# Altium PCB PCB.PcbDoc (part 3 of 4) (continued)
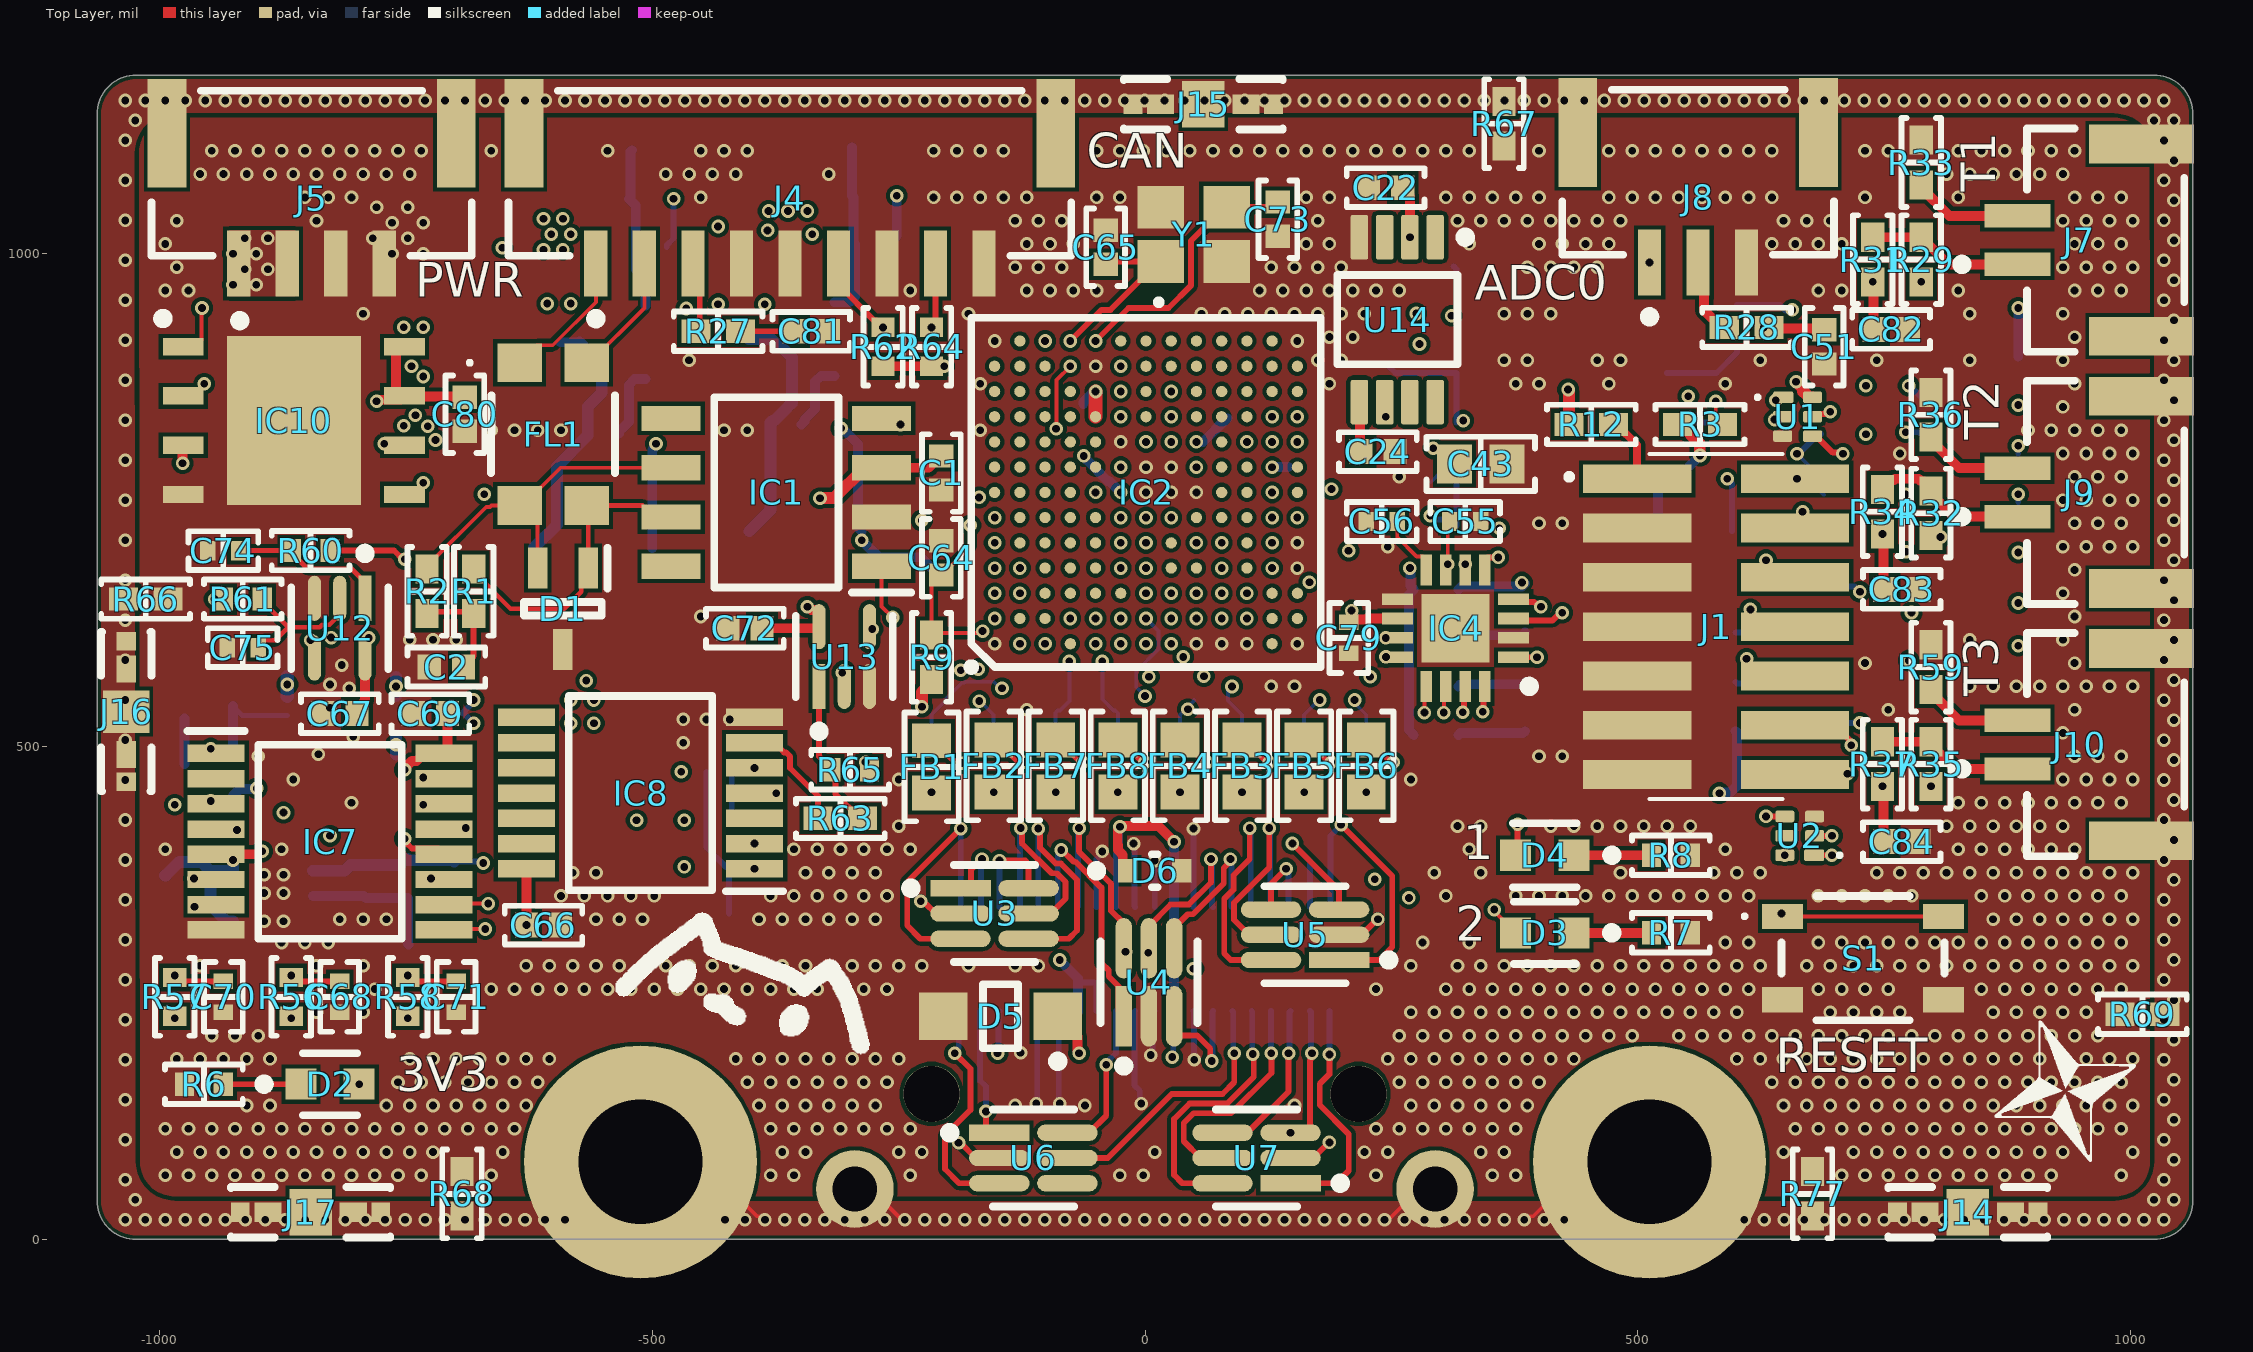
[diagram p0: Top Layer view]
## Nets (pads, with @x,y where several pads share a name; then routed paths per layer and width w, separated by ;. In a path a pad name is that pad's centre, name@x,y a point inside that pad or via, vN(x,y) a via of type N, cw(c..) or ccw(c..) an arc to the next point about the centre after c; other vN are vias at no path point) (continued)
NetFB1_1: FB1.1 R10.2
  other v1: -216.54,453.74
NetFB2_1: FB2.1 R11.2
  other v1: -153.54,453.74
NetFB3_1: FB3.1 R50.2
  other v1: 98.43,453.74
NetFB4_1: FB4.1 R51.2
  other v1: 35.43,453.74
NetFB5_1: FB5.1 R52.2
  other v1: 161.42,453.74
NetFB6_1: FB6.1 R53.2
  other v1: 224.41,453.74
NetFB7_1: FB7.1 R54.2
  other v1: -90.55,453.74
NetFB8_1: FB8.1 R55.2
  other v1: -27.56,453.74
NetIC3_8: IC3.8 R17.1 R18.2 | length 105.8
  Bottom Layer w5: R18.2@-925.2,541.34 -925.2,540.81 -915.89,531.5 IC3.8@-870.08,531.5
  Bottom Layer w10: R17.1@-925.2,495.08 R18.2@-925.2,541.34
NetIC5_6: IC5.6 R43.1 | length 82.3
  Bottom Layer w6: IC5.6@529.57,878.94 579.72,878.94 600.39,899.61 R43.1@600.39,902.56
NetIC5_7: IC5.7 R38.1 | length 65.9
  Bottom Layer w6: IC5.7@529.57,828.94 582.81,828.94 591.62,820.13 R38.1@591.62,819.88
NetIC6_1: IC6.1 R45.1 | length 69
  Bottom Layer w10: R45.1@317.91,511.81 319.78,513.68 383.48,513.68 IC6.1@385.35,515.55
NetIC6_2: IC6.2 R46.1 | length 69.3
  Bottom Layer w10: R46.1@317.91,561.02 320.18,563.29 383.09,563.29 IC6.2@385.35,565.55
NetIC6_3: IC6.3 R47.1 | length 69.6
  Bottom Layer w10: R47.1@317.91,610.24 320.57,612.89 382.7,612.89 IC6.3@385.35,615.55
NetIC6_6: IC6.6 R49.1 | length 71
  Bottom Layer w6: IC6.6@598.9,615.55 667.72,615.55 R49.1@669.29,617.13
NetIC6_7: IC6.7 R44.1 | length 71
  Bottom Layer w6: IC6.7@598.9,565.55 600.47,563.98 R44.1@669.29,563.98
NetIC11_4: IC11.4 R76.2 | length 50.4
  Bottom Layer w6: R76.2@-422.24,425.2 -419.29,428.15 IC11.4@-419.29,474.41
NetIC11_5: IC11.5 R22.1 R26.2 | length 154.8
  Bottom Layer w6: IC11.5@-444.88,474.41 -444.88,397.64 -425.2,377.95 R22.1@-422.24,377.95 R26.2@-422.24,330.71
NetJ1_10: J1.10 U2.4 | length 247.8
  Top Layer w6: v1(610.24,589.17) 610.24,582.22 620.8,571.65 J1.10@659.45,571.65 ; v1(629.92,429.13) U2.4@649.02,429.13
  Inner Layer 1 w6: v1(610.24,589.17) 610.24,448.82 v1(629.92,429.13)
NetJ4_3: J4.3 R27.2 | length 73.5
  Top Layer w5.91: J4.3@-458.66,990.16 -451.65,983.15 -451.65,925.32 R27.2@-455.71,921.26
NetJ6_5: J6.5 R25.2 | length 162.7
  Inner Layer 4 w6: v1(731.3,866.14) 750.98,846.46 v1(885.83,846.46)
NetJ6_6: J6.6 R24.2 R78.1 | length 185.1
  Inner Layer 4 w6: v1(731.3,816.93) 767.58,816.93 769.55,818.9 v1(771.65,818.9) ; v1@771.65,816.93 772.13,817.41 778.58,817.41 779.06,816.93 874.02,816.93 v1(885.83,805.12)
  Bottom Layer w6: v1(771.65,818.9) 785.43,818.9 R78.1@787.4,816.93 ; J6.6@885.83,797.24 v1(885.83,805.12)
NetJ7_1: J7.1 R29.1 R31.2 | length 156.8
  Top Layer w10: R31.2@738.19,1016.73 R29.1@787.4,1016.73 ; R29.1@787.4,1013.78 794.21,1006.97 797.17,1006.97 814.96,989.17 J7.1@884.84,989.17
NetJ7_2: J7.2 R33.2 | length 112.2
  Top Layer w10: R33.2@787.4,1069.88 787.4,1066.93 815.94,1038.39 J7.2@884.84,1038.39
NetJ8_2: J8.2 R28.2 | length 78.7
  Top Layer w10: J8.2@561.02,991.14 567.17,985 567.17,942.68 584.65,925.2 R28.2@587.6,925.2
NetJ9_1: J9.1 R32.1 R34.2 | length 159.4
  Top Layer w10: R34.2@748.03,760.83 748.03,763.78 754.84,770.59 759.64,770.59 760.7,771.65 784.57,771.65 787.05,769.18 790.43,769.18 797.24,762.37 R32.1@797.24,759.42 ; R32.1@797.24,756.47 820.44,733.27 J9.1@884.84,733.27
NetJ9_2: J9.2 R36.2 | length 102.4
  Top Layer w10: R36.2@797.24,813.98 797.24,811.02 825.79,782.48 J9.2@884.84,782.48
NetJ10_1: J10.1 R35.1 R37.2 | length 147
  Top Layer w10: R37.2@748.03,504.92 R35.1@797.24,504.92 ; R35.1@797.24,501.97 821.85,477.36 J10.1@884.84,477.36
NetJ10_2: J10.2 R59.2 | length 102.4
  Top Layer w10: R59.2@797.24,558.07 797.24,555.12 825.79,526.57 J10.2@884.84,526.57
NetR20_1: R20.1 R21.2 U11.2 | length 144.7
  Bottom Layer w10: U11.2@-844.25,348.43 -792.51,348.43 -790.54,346.46 R20.1@-748.03,346.46 -747.54,345.96 -747.54,299.7 R21.2@-747.05,299.21
NetR63_2: R63.2 R65.1 U13.1 | length 153.9
  Top Layer w6: U13.1@-330.71,561.02 -330.71,490.16 -318.9,478.35 R65.1@-318.9,476.38 -314.06,471.54 -314.06,451.85 -289.37,427.17 R63.2@-286.42,427.17
OE: IC2.A5 U13.2 | length 223.8
  Top Layer w3.94: v1(-307.09,574.8) -307.09,562.99 U13.2@-305.12,561.02
  Inner Layer 1 w3.94: v1(-307.09,574.8) -288.09,574.8 -161.12,701.77 -160.14,701.77 -155.22,706.69 v1(-152.56,706.69)
P\G\: IC2.G2 J2.18 U6.6 | length 783.4
  Top Layer w5.91: U6.6@-78.74,108.27 -56.73,108.27 -39.37,125.63 v1(-39.37,177.17)
  Inner Layer 1 w3.94: v1(-39.37,177.17) -37.94,178.6 -37.94,189.96 16.06,243.96 16.06,286.39 138.78,409.11 138.78,422.62 120.95,440.45 93.62,440.45 75.79,458.28 75.79,489.55 45.91,519.42 31.76,519.42 v1(0,551.18)
  Bottom Layer w3.94: v1(0,551.18) 0,551.56 -8.86,560.42 -8.86,576.39 13.78,599.03 13.78,617.13 v1(0.98,629.92)
  Bottom Layer w5.91: v1(-39.37,177.17) -39.37,179.3 -29.53,189.14 J2.18@-29.53,231.69
R\S\T\_4: C64.2 IC2.D12 R9.1 S1.1 S1.2 | length 1524.9
  Top Layer w3.94: v1(-177.17,724.41) -177.17,702.76 -205.91,674.02 C64.2@-206.69,674.02 -216.54,664.17 -216.54,616.14 -215.64,615.24 -166.7,615.24 v1(-164.81,617.13) ; v1(-90.2,822.46) -89.76,822.9 -89.76,871.85 v1(-75.79,885.83) ; v1(645.67,330.71) 648.62,327.76 S1.2@810.04,327.76
  Inner Layer 1 w3.94: v1(-177.17,724.41) -177.17,725.77 -90.45,812.48 -90.45,822.21 v1(-90.2,822.46)
  Inner Layer 4 w3.94: v1(-164.81,617.13) -147.26,617.13 -139.76,609.63 -139.76,576.28 -84.09,520.6 -84.09,487.25 -28.39,431.56 -19.29,431.56 45.9,366.37 134.82,366.37 137.82,363.36 148.42,363.36 151.42,366.37 212.75,366.37 257.27,321.85 636.43,321.85 645.29,330.71 v1(645.67,330.71)
SDIO_CLK: IC2.B11
SDIO_CS: IC2.A10
SDIO_DET: IC2.B6
SDIO_MISO: IC2.A12
SDIO_MOSI: IC2.B12
TEMP1_1: C82.2 IC4.5 R31.1 | length 606.7
  Top Layer w6: IC4.5@344.49,679.13 344.49,688.98 347.39,691.88 358.22,691.88 v1(358.27,691.93)
  Top Layer w10: v1(738.19,971.46) 738.86,970.78 738.86,923.9 C82.2@739.54,923.23
  Inner Layer 2 w6: v1(358.27,691.93) 423.07,691.93 425.82,689.17 488.52,689.17 607.58,808.23 634.77,808.23 738.19,911.65 v1(738.19,971.46)
TEMP2_1: C83.2 IC4.4 R34.1 | length 467.6
  Top Layer w6: IC4.4@374.02,649.61 376.92,646.7 394.7,646.7 399.47,641.93 v1(401.57,641.93)
  Top Layer w10: v1(748.03,715.55) 749.21,714.37 749.21,660.63 C83.2@750.39,659.45
  Inner Layer 2 w6: v1(401.57,641.93) 429.87,670.23 547.19,670.23 555.7,678.74 620.77,678.74 624.21,675.3 635.66,675.3 639.1,678.74 711.22,678.74 v1(748.03,715.55)
TEMP3_1: C84.2 IC4.3 R37.1 | length 508.8
  Top Layer w6: IC4.3@374.02,629.92 375.83,628.1 413.53,628.1 421.17,635.75 v1(423.28,635.75)
  Top Layer w10: v1(748.03,459.65) 749.21,458.46 749.21,404.72 C84.2@750.39,403.54
  Inner Layer 2 w6: v1(423.28,635.75) 599.38,459.65 705.84,459.65 706.87,458.61 718.33,458.61 719.36,459.65 v1(748.03,459.65)
U_A_IN: IC2.B1 J2.11 U4.1 | length 527.4
  Top Layer w5.91: v1(-84.9,395.13) -84.48,395.13 -72.44,383.09 -70.5,383.09 -44.29,356.88 -44.29,280.51 -36.86,273.08 -36.86,266.74 -27.02,256.9 -27.02,231.74 U4.1@-21.65,226.38
  Inner Layer 1 w3.94: v1(-169.29,578.54) -168,579.83 -151.47,579.83 v1(-126.97,604.33)
  Inner Layer 4 w3.94: v1(-169.29,578.54) -167.61,576.87 -167.61,563.78 -157.87,554.04 -157.87,553.86 -134.84,530.83 -134.84,478.95 -86.61,430.72 -86.61,396.84 v1(-84.9,395.13)
  Bottom Layer w5.91: J2.11@-88.58,337.01 -88.58,389.32 -84.9,393 v1(-84.9,395.13)
U_B_IN: IC2.C1 J2.09 U3.4 | length 555
  Top Layer w5.91: U3.4@-118.11,305.12 -77.26,305.12 -68.9,313.48 -68.9,364.88 -85.37,381.35 -90.61,381.35 -106.59,397.33 -106.59,415.16 v1(-108.27,416.84)
  Inner Layer 1 w3.94: v1(-187.01,577.51) -175.24,565.75 -158.61,565.75 -152.4,571.96 -133.75,571.96 v1(-101.38,604.33)
  Inner Layer 4 w3.94: v1(-187.01,577.51) -187.01,542.05 -142.72,497.76 -142.72,475.69 -108.27,441.24 v1(-108.27,416.84)
  Bottom Layer w5.91: J2.09@-108.27,337.01 v1(-108.27,416.84)
U_EN: J2.07 J2.34 J2.35 U3.5 U5.4 U7.5 U13.4 | length 1334.7
  Top Layer w5.91: U13.4@-279.53,621.66 -277.03,619.16 v1(-276.64,619.16) ; v1(-125.98,417.32) -124.76,416.09 -124.76,401.57 -94.69,371.51 -89.44,371.51 -80.54,362.6 -80.54,345.91 -95.74,330.71 U3.5@-118.11,330.71 ; U7.5@78.61,82.68 56.24,82.68 39.37,99.55 39.37,118.11 49.21,127.95 87.22,127.95 128.2,168.93 128.2,188.73 v1(127.95,188.98) ; U5.4@127.82,334.65 127.82,360.86 v1(143.12,376.16)
  Inner Layer 1 w5.91: v1(49.11,274.61) 133.67,359.16 133.67,364.58 143.12,374.03 v1(143.12,376.16)
  Inner Layer 4 w5.91: v1(-276.64,619.16) -171.26,513.78 -171.26,451.97 -138.12,418.83 -127.49,418.83 v1(-125.98,417.32) -125.98,378.7 -24.36,277.08 44.51,277.08 46.98,274.61 v1(49.11,274.61) 126.45,197.27 126.45,190.48 v1(127.95,188.98)
  Bottom Layer w5.91: J2.07@-127.95,337.01 -126.97,337.99 -126.97,416.34 v1(-125.98,417.32) ; v1(127.95,188.98) J2.34@127.95,231.69 ; v1(143.12,376.16) 143.12,374.03 145.59,371.56 145.59,339.06 J2.35@147.64,337.01
U_FILTERED_14: C68.2 IC7.4 R56.2 | length 221.3
  Top Layer w5.91: R56.2@-866.14,265.75 -862.2,261.81 C68.2@-816.93,261.81
  Inner Layer 4 w5.91: v1(-921.26,415.32) -920.44,414.5 -920.44,399.57 -911.42,390.55 -911.42,312.99 v1(-866.14,267.72)
U_HALL_N: FB2.2 J2.05 U3.6 | length 254.2
  Top Layer w5: FB2.2@-153.54,506.89 -151.57,506.89 -130.62,485.93 -123.73,485.93 v1(-122.05,484.25)
  Top Layer w5.91: v1(-147.64,384.33) -121.57,384.33 -118.11,380.87 U3.6@-118.11,356.3
  Inner Layer 2 w5: v1(-147.64,384.33) -147.64,423.46 -122.05,449.06 v1(-122.05,484.25)
  Bottom Layer w5.91: J2.05@-147.64,337.01 v1(-147.64,384.33)
U_HALL_N_F_4: C19.1 IC2.K3 R11.1 | length 366.4
  Inner Layer 2 w3.94: v1(-168.1,546.17) -167.41,546.85 -167.41,560.93 -156.39,571.96 -38.88,571.96 -11.81,599.03 -11.81,609.63 -4.32,617.13 6.28,617.13 13.78,624.62 13.78,635.22 21.28,642.72 64.96,642.72 v1(77.76,655.51)
  Bottom Layer w3.94: v1(-168.1,546.17) -167.81,546.46 C19.1@-167.72,546.46 ; C19.1@-167.72,547.24 C19.1@-167.72,546.46 ; R11.1@-153.54,499.02 -153.54,532.28 C19.1@-167.72,546.46
U_HALL_P: FB1.2 J2.01 U3.3 | length 367.1
  Top Layer w5.91: FB1.2@-216.54,505.91 -214.57,505.91 -193.44,484.77 -187.53,484.77 v1(-186.02,483.27) ; U3.3@-187.14,305.12 -227.99,305.12 -241.3,318.43 -241.3,362.55 v1(-187.01,416.84)
  Inner Layer 2 w5.91: v1(-187.01,416.84) -186.02,417.82 v1(-186.02,483.27)
  Bottom Layer w5.91: J2.01@-187.01,337.01 v1(-187.01,416.84)
U_HALL_P_F_4: C19.2 IC2.L3 R10.1 | length 427.4
  Inner Layer 2 w3.94: v1(-145.08,559.16) -143.63,560.61 -24.64,560.61 13.78,599.03 13.78,609.63 21.28,617.13 46.87,617.13 83.06,617.13 90.55,624.62 90.55,642.72 v1(103.35,655.51)
  Bottom Layer w3.94: R10.1@-216.54,499.02 -216.54,532.28 -202.36,546.46 -202.36,548.03 -185.68,564.72 -183.01,564.72 -181.97,565.75 -153.46,565.75 -146.87,559.16 v1(-145.08,559.16)
U_LATCHED: IC2.A2 IC7.13 IC8.1 | length 684
  Inner Layer 1 w3.94: v1(-396.14,375.98) -383.35,388.78 -383.35,406.4 -275.94,513.81 -275.94,524.09 -170.11,629.92 v1(-152.56,629.92)
  Inner Layer 4 w3.94: v1(-688.98,417.32) -563.23,417.32 -511.06,365.16 -406.97,365.16 v1(-396.14,375.98)
U_OC: J2.03 R56.1 U3.1 | length 858.9
  Top Layer w5.91: U3.1@-187.14,356.3 -181.85,356.3 -176.49,361.66 -176.49,374.69 v1(-165.35,385.83)
  Inner Layer 1 w5.91: v1(-866.14,224.41) -789.37,301.18 -250,301.18 v1(-165.35,385.83)
  Bottom Layer w5.91: J2.03@-167.32,337.01 -166.34,337.99 -166.34,384.84 v1(-165.35,385.83)
U_TEMP_1: IC4.15 J2.13 U4.6 | length 733.3
  Top Layer w5.91: v1(-66.93,417.32) -66.93,393.44 -34.45,360.96 -34.45,333.45 -21.65,320.65 U4.6@-21.65,295.41 -19.69,293.44 v1(-19.69,291.89)
  Top Layer w6: v1(322.41,534.88) 323.61,536.07 323.61,559.83 IC4.15@324.8,561.02
  Inner Layer 2 w6: v1(-19.69,291.89) 54.57,366.14 94.36,366.14 145.67,417.45 145.67,480.31 176.82,511.47 299.72,511.47 322.41,534.15 v1(322.41,534.88)
  Bottom Layer w5.91: J2.13@-68.9,337.01 -67.91,337.99 -67.91,416.34 v1(-66.93,417.32)
V_6_N: FB8.2 J2.04 U6.1 | length 605.8
  Top Layer w5.91: v1(-161.42,129.92) -161.42,113.63 -156.05,108.27 U6.1@-147.77,108.27 ; FB8.2@-27.56,506.89 -25.59,506.89 -4.46,485.76 -1.51,485.76 v1(0,484.25)
  Inner Layer 2 w5.91: v1(-161.42,129.92) -161.42,132.05 -163.39,134.02 -163.39,293.2 -53.15,403.44 -53.15,447.64 -29.69,471.1 -13.16,471.1 v1(0,484.25)
  Bottom Layer w5.91: J2.04@-167.32,231.69 -167.32,161.28 -161.42,155.37 v1(-161.42,129.92)
V_6_P: FB7.2 J2.02 U6.3 | length 627
  Top Layer w5: FB7.2@-90.55,506.89 -88.58,506.89 -67.62,485.93 -64.67,485.93 v1(-62.99,484.25)
  Top Layer w5.91: v1(-192.91,188.98) -177.17,173.23 -177.17,131.45 -202.89,105.72 -202.89,71.36 -188.62,57.09 U6.3@-147.77,57.09
  Inner Layer 2 w5: v1(-192.91,188.98) -192.91,310.19 -77.22,425.87 -77.22,470.02 v1(-62.99,484.25)
  Bottom Layer w5.91: v1(-192.91,188.98) -192.91,191.11 -189.06,194.97 -189.06,229.65 J2.02@-187.01,231.69
V_A_IN: IC2.E1 J2.39 U5.1 | length 641.5
  Top Layer w5.91: U5.1@196.85,283.46 237.53,283.46 250.86,296.79 250.86,368.81 v1(198.91,420.76)
  Inner Layer 4 w3.94: v1(-50.2,604.33) -50.2,601.67 -56.1,595.76 -56.1,581.31 58.68,466.54 104.57,466.54 133.12,437.99 134.55,437.99 146.65,425.88 146.65,424.46 150.35,420.76 v1(198.91,420.76)
  Bottom Layer w5.91: J2.39@187.01,337.01 187.99,337.99 187.99,409.41 198.91,420.33 v1(198.91,420.76)
V_B_IN: IC2.E2 J2.37 U5.3 | length 509.1
  Top Layer w5.91: v1(149.48,401.71) 196.85,354.33 U5.3@196.85,334.65
  Inner Layer 4 w3.94: v1(-50.2,629.92) -63.98,616.14 -63.98,578.05 76.57,437.51 97.25,437.51 104.64,430.12 131.28,430.12 138.78,422.62 138.78,411.89 148.96,401.71 v1(149.48,401.71)
  Bottom Layer w5.91: v1(149.48,401.71) 167.32,383.86 J2.37@167.32,337.01
V_FILTERED_14: C70.2 IC7.6 R57.2 | length 158.1
  Top Layer w5.91: v1(-984.25,267.72) -978.35,261.81 C70.2@-935.04,261.81
  Inner Layer 1 w5.91: v1(-984.25,267.72) -984.25,346.46 -964.88,365.83 v1(-964.88,366.14)
V_HALL_N: FB4.2 J2.29 U4.4 | length 311.9
  Top Layer w5.91: U4.4@29.53,295.41 29.53,316.15 43.29,329.92 48.56,329.92 79.77,361.13 79.77,376.85 86.61,383.7 v1(86.61,385.83) ; FB4.2@35.43,506.89 37.4,506.89 58.53,485.76 61.49,485.76 v1(62.99,484.25)
  Inner Layer 2 w5.91: v1(62.99,484.25) 74.8,472.44 74.8,397.64 v1(86.61,385.83)
  Bottom Layer w5.91: v1(86.61,385.83) 87.6,384.84 87.6,337.99 J2.29@88.58,337.01
V_HALL_N_F_4: C23.1 IC2.H3 R51.1 | length 379.1
  Inner Layer 2 w3.94: v1(26.57,655.51) 29.24,655.51 34.16,660.43 35.14,660.43 68.6,693.9 94.19,693.9 141.73,646.36 141.73,596.34 93.57,548.18 85.96,548.18 75.61,537.83 v1(43.49,537.83)
  Bottom Layer w3.94: R51.1@35.43,499.02 35.43,532.28 C23.1@42.23,539.08 ; v1(43.49,537.83) C23.1@42.23,539.08 ; C23.1@49.61,547.24 49.61,546.46 C23.1@42.23,539.08
V_HALL_P: FB3.2 J2.33 U5.5 | length 336.7
  Top Layer w5: FB3.2@98.43,506.89 100.39,506.89 121.35,485.93 124.3,485.93 v1(125.98,484.25)
  Top Layer w5.91: v1(125.98,417.32) 125.98,377.29 90.25,341.55 90.25,324.26 105.45,309.06 U5.5@127.82,309.06
  Inner Layer 2 w5: v1(125.98,417.32) v1(125.98,484.25)
  Bottom Layer w5.91: v1(125.98,417.32) 126.97,416.34 126.97,337.99 J2.33@127.95,337.01
V_HALL_P_F_4: C23.2 IC2.J3 R50.1 | length 271.1
  Inner Layer 2 w3.94: v1(52.17,655.51) 64.96,668.31 83.06,668.31 108.65,668.31 133.86,643.1 133.86,601.22 98.53,565.9 95.85,565.9 90.93,560.98 v1(88.27,560.98)
  Bottom Layer w3.94: v1(88.27,560.98) 84.25,556.96 84.25,546.46 98.43,532.28 R50.1@98.43,499.02
V_LATCHED: IC2.A3 IC7.9 IC8.2 | length 710.7
  Top Layer w3.94: IC7.9@-711.1,313.98 -710.12,314.96 v1(-669.29,314.96)
  Inner Layer 1 w3.94: v1(-669.29,314.96) -627.9,356.35 -627.9,361.08 -588.39,400.59 -397.13,400.59 -394.31,403.41 -394.31,414.37 -283.82,524.86 -283.82,527.35 -157.54,653.63 -154.44,653.63 v1(-152.56,655.51)
  other v1: -396.14,401.57
V_OC: J2.31 R57.1 U5.6 | length 1451.2
  Top Layer w5.91: v1(106.3,417.32) 106.3,386.02 89.61,369.34 89.61,354.84 80.4,345.63 80.4,290.03 86.97,283.46 U5.6@127.82,283.46
  Inner Layer 1 w5.91: v1(-984.25,224.41) -885.63,224.41 -871.85,210.63 -137.51,210.63 69.19,417.32 v1(106.3,417.32)
  Bottom Layer w5.91: v1(106.3,417.32) 107.28,416.34 107.28,337.99 J2.31@108.27,337.01
V_SENSE_N: C52.1 IC2.K5 R55.1 | length 288.3
  Inner Layer 2 w3.94: v1(-43.31,586.61) -43.31,589.28 -37.4,595.18 -37.4,609.63 -29.91,617.13 -19.31,617.13 -11.81,624.62 -11.81,635.22 -4.32,642.72 6.28,642.72 13.78,650.21 13.78,660.81 21.28,668.31 31.87,668.31 68.9,705.33 76.39,705.33 v1(77.76,706.69)
  Bottom Layer w3.94: v1(-43.31,586.61) -43.31,548.03 -31.89,536.61 -30.31,536.61 -27.56,533.86 R55.1@-27.56,499.02
V_SENSE_P: C52.2 IC2.J5 R54.1 | length 285.3
  Inner Layer 2 w3.94: v1(-76.77,586.61) -65.19,598.19 -65.19,607.43 -55.5,617.13 -44.9,617.13 -37.4,624.62 -37.4,635.22 -4.32,668.31 6.28,668.31 14.16,676.18 21.65,676.18 v1(52.17,706.69)
  Bottom Layer w3.94: R54.1@-90.55,499.02 -90.91,499.38 -90.91,534.31 -88.6,536.61 -86.22,536.61 -76.77,546.06 v1(-76.77,586.61)
V_TEMP_1: IC4.16 J2.27 U4.5 | length 713.8
  Top Layer w5.91: U4.5@3.94,295.41 3.94,317.78 25.92,339.76 44.48,339.76 66.93,362.2 v1(66.93,385.83)
  Top Layer w6: v1(342.52,535.43) 343.5,536.42 343.5,560.04 IC4.16@344.49,561.02
  Inner Layer 2 w6: v1(3.27,290.86) 83.94,290.86 173.18,380.1 173.18,398.96 165.31,406.84 165.31,437.97 175.24,447.91 175.24,468.9 175.15,468.99 175.15,489.98 186.7,501.53 308.62,501.53 v1(342.52,535.43)
  Bottom Layer w5.91: v1(66.93,385.83) 67.91,384.84 67.91,337.99 J2.27@68.9,337.01
W_A_IN: IC2.D2 J2.30 U6.5 | length 997.8
  Top Layer w5.91: U6.5@-78.74,82.68 -37.89,82.68 27.07,147.64 78.6,147.64 90.55,159.59 v1(90.55,188.98)
  Inner Layer 1 w3.94: v1(90.55,188.98) 90.55,224.17 231.69,365.32 v1(233.11,365.32)
  Inner Layer 4 w3.94: v1(-75.79,629.92) -88.58,617.13 -88.58,599.03 -91.54,596.08 -91.54,581.31 -41,530.78 -28.43,530.78 12.8,489.55 12.8,458.28 41.45,429.63 75.89,429.63 116.57,388.95 144.13,388.95 144.18,388.91 209.51,388.91 v1(233.11,365.32)
  Bottom Layer w5.91: J2.30@88.58,231.69 89.57,230.71 89.57,189.96 v1(90.55,188.98)
W_B_IN: IC2.F2 J2.32 U7.6 | length 946.8
  Top Layer w5.91: U7.6@78.61,57.09 37.76,57.09 29.53,65.32 29.53,122.19 45.14,137.8 83.15,137.8 110.24,164.89 110.24,187.21 v1(109.35,188.09)
  Inner Layer 1 w3.94: v1(109.35,188.09) 109.35,188.47 176.38,255.5 185.01,255.5 249.02,319.5 249.02,327.76 v1(267.72,346.46)
  Inner Layer 4 w3.94: v1(-24.61,629.92) -24.61,627.26 -19.68,622.34 -19.68,621.36 -11.81,613.49 -11.81,599.03 3.56,583.66 10.07,583.66 43.11,550.62 55.68,550.62 87.7,518.6 87.7,504.44 151.2,440.94 196.82,440.94 267.72,370.05 v1(267.72,346.46)
  Bottom Layer w5.91: J2.32@108.27,231.69 108.81,231.15 108.81,188.63 v1(109.35,188.09)
W_FILTERED_14: C71.2 IC7.12 R58.2 | length 238.6
  Top Layer w5.91: v1(-750.92,406.5) -749.41,404.99 -749.41,402.54 -743.52,396.65 -717.01,396.65 IC7.12@-711.1,390.75 ; R58.2@-748.03,265.75 -744.09,261.81 C71.2@-698.82,261.81
  Inner Layer 4 w5.91: v1(-750.92,406.5) -749.48,405.05 -749.48,269.16 v1(-748.03,267.72)
W_HALL_N: FB6.2 J2.40 U7.1 | length 603
  Top Layer w5.91: U7.1@147.64,57.09 194.13,57.09 206.69,69.65 206.69,106.85 177.17,136.37 177.17,157.83 187.01,167.67 v1(187.01,187.72) ; FB6.2@224.41,506.89 226.38,506.89 247.51,485.76 250.46,485.76 v1(251.97,484.25)
  Inner Layer 2 w5.91: v1(187.01,187.72) 219.49,220.2 219.49,327.56 251.97,360.04 v1(251.97,484.25)
  Bottom Layer w5.91: v1(187.01,187.72) J2.40@187.01,231.69
W_HALL_N_F_4: C25.1 IC2.H1 R53.1 | length 340.8
  Inner Layer 2 w3.94: v1(26.57,604.33) 26.57,596.86 25.96,596.25 25.96,589 21.37,584.41 21.37,530.71 34.93,517.16 77.21,517.16 92.48,532.43 197.79,532.43 v1(212.6,547.24)
  Bottom Layer w3.94: C25.1@210.24,546.46 224.41,532.28 R53.1@224.41,499.02 ; C25.1@210.24,547.24 v1(212.6,547.24)
W_HALL_P: FB5.2 J2.36 U7.4 | length 523.4
  Top Layer w5.91: U7.4@78.61,108.27 103.77,108.27 145.67,150.17 v1(145.67,188.98) ; FB5.2@161.42,506.89 163.39,506.89 184.52,485.76 187.47,485.76 v1(188.98,484.25)
  Inner Layer 2 w5.91: v1(145.67,188.98) 145.67,258.7 183.07,296.1 183.07,403.06 175.2,410.93 175.2,433.88 188.98,447.65 v1(188.98,484.25)
  Bottom Layer w5.91: v1(145.67,188.98) 146.65,189.96 146.65,230.71 J2.36@147.64,231.69
W_HALL_P_F_4: C25.2 IC2.H2 R52.1 | length 320.7
  Inner Layer 2 w3.94: v1(38.76,590.95) 34.25,586.45 34.25,546.69 30.69,543.13 30.69,532.53 38.19,525.03 73.95,525.03 89.22,540.31 96.83,540.31 103.77,547.24 v1(177.17,547.24)
  Inner Layer 4 w3.94: v1(26.57,629.92) 28.46,628.04 28.46,620.54 39.37,609.63 39.37,591.56 v1(38.76,590.95)
  Bottom Layer w3.94: R52.1@161.42,499.02 161.42,532.28 175.59,546.46 C25.2@175.59,547.24 v1(177.17,547.24)
W_LATCHED: IC2.A4 IC7.10 IC8.4 | length 709.1
  Top Layer w3.94: IC7.10@-711.1,339.57 -709.93,340.74 v1(-666.34,340.74)
  Inner Layer 1 w3.94: v1(-666.34,340.74) -613.72,393.35 -613.72,402.02 -562.99,452.76 v1(-374.02,452.76) -154.44,672.33 -154.44,679.22 v1(-152.56,681.1)
W_OC: J2.38 R58.1 U7.3 | length 1087.6
  Top Layer w5.91: 167.32,127.95 167.32,181.58 167.78,182.04 167.78,187.47 v1(169.29,188.98)
  Top Layer w6: v1(-748.03,224.41) R58.1@-748.03,226.38 ; v1(147.64,108.27) 162.41,108.27 167.32,113.18 167.32,127.95
  Inner Layer 4 w6: v1(-748.03,224.41) -66.35,224.41 49.79,108.27 v1(147.64,108.27)
  Bottom Layer w5.91: J2.38@167.32,231.69 168.31,230.71 168.31,189.96 v1(169.29,188.98)
W_TEMP_1: IC4.1 J2.28 U4.3 | length 780
  Top Layer w5.91: U4.3@29.53,226.38 29.53,211.92 34.48,206.96 52.88,206.96 66.21,193.63 66.21,182.55 v1(67.71,181.05) ; IC4.1@374.02,590.55 v1(397.64,590.55)
  Inner Layer 2 w5.91: v1(67.71,181.05) 79.47,169.29 188.07,169.29 308.3,289.52 308.3,308.1 356.3,356.1 356.3,549.21 v1(397.64,590.55)
  Bottom Layer w5.91: v1(67.71,181.05) 68.31,181.64 68.31,231.1 J2.28@68.9,231.69
X1_4: C65.2 IC2.D13 Y1.1 | length 182.1
  Top Layer w6: v1(-75.79,911.42) -44.25,942.95 -35.24,942.95 13.92,992.1 Y1.1@15.88,992.1 -36.97,992.1 C65.2@-39.88,989.19
X2_4: C73.2 IC2.E13 Y1.3 | length 269.7
  Top Layer w6: v1(-50.2,911.42) -16.73,944.88 23.75,944.88 46.44,967.57 46.44,1012.82 80.84,1047.22 Y1.3@82.81,1047.22 129.5,1047.22 C73.2@134.65,1052.36
pads on no net: IC1.5 IC1.8 IC2.A7 IC2.A8 IC2.A9 IC2.A11 IC2.B2 IC2.B5 IC2.B7 IC2.B8 IC2.B9 IC2.B10 IC2.B13 IC2.C2 IC2.C3 IC2.C4 IC2.C5 IC2.C6 IC2.C7 IC2.C8 IC2.C9 IC2.C10 IC2.C11 IC2.C12 IC2.D1 IC2.D3 IC2.D4 IC2.D5 IC2.D6 IC2.D7 IC2.D8 IC2.D9 IC2.D10 IC2.D11 IC2.E3 IC2.E4 IC2.E5 IC2.E6 IC2.E8 IC2.E9 IC2.F3 IC2.F13 IC2.G10 IC2.G11 IC2.G12 IC2.G13 IC2.H4 IC2.H5 IC2.H12 IC2.H13 IC2.J4 IC2.J6 IC2.J10 IC2.J13 IC2.K6 IC2.K7 IC2.K8 IC2.K9 IC2.K10 IC2.K11 IC2.K12 IC2.K13 IC2.L4 IC2.L5 IC2.L6 IC2.L7 IC2.L8 IC2.L10 IC2.L11 IC2.L12 IC2.L13 IC2.M1 IC2.M2 IC2.M3 IC2.M11 IC2.M12 IC2.M13 IC2.N2 IC2.N3 IC2.N7 IC2.N8 IC2.N11 IC2.N12 IC3.3 IC3.7 IC7.2 IC8.3 IC8.8 IC8.9 IC8.10 IC8.11 IC8.12 IC8.13 J2.None U2.5 U6.4 U9.5 U10.5 U11.5 U14.1 U14.3 U14.7 U14.8
copper on no net: | length 0.8
  Bottom Layer w10: -709.45,489.76 -708.66,489.76

## Polygon pours and split planes (outlines as drawn)
GND on Top Layer "NONET_L-01_P-001" (solid, pour order 62): -1181.1,1299.21 1220.47,1299.21 1220.47,-157.48 -1181.1,-157.48
CHASSIS on Top Layer "NONET_L-01_P-001" (solid, pour order 8): -984.78,1142.26 -826.77,1142.26 -826.77,1181.1 -1062.99,1181.1 -1062.99,0 1062.99,0 1062.99,1181.1 -826.77,1181.1 -826.77,1142.26 983.18,1142.39 cw(c983.19,1102.37) 1023.21,1102.36 1023.62,78.74 cw(c984.27,78.72) 984.25,39.37 -39.37,39.37 -984.25,39.37 cw(c-984.26,78.73) -1023.62,78.74 -1024.68,1102.36 cw(c-984.78,1102.36)
GND on Top Layer "NONET_L-01_P-001" (solid, pour order 49): -830.71,1023.62 -826.77,1023.62 -791.34,1059.06 -708.66,1059.06 -708.66,988.19 -740.16,956.69 -830.71,956.69
NetC48_2 on Top Layer "NONET_L-01_P-001" (solid, pour order 35): -929.13,1023.62 -862.2,1023.62 -862.2,956.69 -929.13,956.69
GND on Bottom Layer "NONET_L-01_P-001" (solid, pour order 55): -1181.1,1299.21 1220.47,1299.21 1220.47,-157.48 -1181.1,-157.48
CHASSIS on Bottom Layer "NONET_L-01_P-001" (solid, pour order 53): -984.25,1142.26 -826.24,1142.26 -826.24,1181.1 -1062.46,1181.1 -1062.46,0 1063.52,0 1063.52,1181.1 -826.24,1181.1 -826.24,1142.26 983.71,1142.39 cw(c983.72,1102.37) 1023.74,1102.36 1024.15,78.74 cw(c984.8,78.72) 984.78,39.37 -38.84,39.37 -983.72,39.37 cw(c-983.73,78.73) -1023.09,78.74 -1024.15,1102.36 cw(c-984.25,1102.36)
+12V on Bottom Layer "NONET_L-01_P-001" (solid, pour order 13): -311.02,791.34 -188.98,791.34 -188.98,657.48 -240.16,657.48 -255.91,641.73 -318.9,641.73 -318.9,791.34
+24V on Bottom Layer "NONET_L-01_P-001" (solid, pour order 11): -759.84,929.13 -759.84,803.15 -803.15,759.84 -870.08,759.84 -870.08,622.05 -748.03,622.05 -748.03,771.65 -720.47,799.21 -720.47,929.13
NetC48_2 on Bottom Layer "NONET_L-01_P-001" (solid, pour order 3): -964.57,1059.06 -877.95,1059.06 -877.95,996.06 -814.96,933.07 -814.96,799.21 -940.94,799.21 -940.94,964.57 -964.57,988.19
+5V on Bottom Layer "NONET_L-01_P-001" (solid, pour order 6): -531.5,787.4 -531.5,657.48 -602.36,586.61 -602.36,456.69 -555.12,456.69 -555.12,480.31 -551.18,480.31 -484.25,547.24 -385.83,547.24 -377.95,555.12 -350.39,555.12 -350.39,582.68 -381.89,614.17 -468.5,614.17 -468.5,787.4
NetC44_1 on Bottom Layer "NONET_L-01_P-001" (solid, pour order 4): -992.13,732.28 -968.5,755.91 -881.89,755.91 -881.89,622.05 -933.07,622.05 -933.07,673.23 -956.69,696.85 -992.13,696.85
GND on Inner Layer 1 "NONET_L-01_P-001" (solid, pour order 64): -1181.1,1299.21 1220.47,1299.21 1220.47,-157.48 -1181.1,-157.48
+5V on Inner Layer 1 "NONET_L-01_P-001" (solid, pour order 59): -771.65,578.74 -566.93,578.74 -547.24,559.06 -547.24,519.69 -551.18,515.75 -728.35,515.75 -728.35,507.87 -748.03,488.19 -771.65,488.19
CHASSIS on Inner Layer 1 "NONET_L-01_P-001" (solid, pour order 54): -984.78,1142.26 -826.77,1142.26 -826.77,1181.1 -1062.99,1181.1 -1062.99,0 1062.99,0 1062.99,1181.1 -826.77,1181.1 -826.77,1142.26 983.18,1142.39 cw(c983.19,1102.37) 1023.21,1102.36 1023.62,78.74 cw(c984.27,78.72) 984.25,39.37 -39.37,39.37 -984.25,39.37 cw(c-984.26,78.73) -1023.62,78.74 -1024.68,1102.36 cw(c-984.78,1102.36)
+24V on Inner Layer 1 "NONET_L-01_P-001" (solid, pour order 12): -759.84,933.07 -649.61,1043.31 -397.64,1043.31 -389.76,1051.18 -334.65,1051.18 -334.65,940.94 -562.99,940.94 -570.87,933.07 -673.23,933.07 -673.23,846.46 -720.47,799.21 -759.84,799.21
GND on Inner Layer 2 "NONET_L-01_P-001" (solid, pour order 58): -1181.1,1299.21 1220.47,1299.21 1220.47,-157.48 -1181.1,-157.48
CHASSIS on Inner Layer 2 "NONET_L-01_P-001" (solid, pour order 51): -984.78,1142.26 -826.77,1142.26 -826.77,1181.1 -1062.99,1181.1 -1062.99,0 1062.99,0 1062.99,1181.1 -826.77,1181.1 -826.77,1142.26 983.18,1142.39 cw(c983.19,1102.37) 1023.21,1102.36 1023.62,78.74 cw(c984.27,78.72) 984.25,39.37 -39.37,39.37 -984.25,39.37 cw(c-984.26,78.73) -1023.62,78.74 -1024.68,1102.36 cw(c-984.78,1102.36)
CHASSIS on Bottom Paste "NONET_L-01_P-001" (solid, pour order 60): -984.78,1142.26 -826.77,1142.26 -826.77,1181.1 -1062.99,1181.1 -1062.99,0 1062.99,0 1062.99,1181.1 -826.77,1181.1 -826.77,1142.26 983.18,1142.39 cw(c983.19,1102.37) 1023.21,1102.36 1023.62,78.74 cw(c984.27,78.72) 984.25,39.37 -39.37,39.37 -984.25,39.37 cw(c-984.26,78.73) -1023.62,78.74 -1024.68,1102.36 cw(c-984.78,1102.36)
GND on Inner Layer 3 "NONET_L-01_P-001" (solid, pour order 57): -1181.1,1299.21 1220.47,1299.21 1220.47,-157.48 -1181.1,-157.48
CHASSIS on Inner Layer 3 "NONET_L-01_P-001" (solid, pour order 50): -984.78,1142.26 -826.77,1142.26 -826.77,1181.1 -1062.99,1181.1 -1062.99,0 1062.99,0 1062.99,1181.1 -826.77,1181.1 -826.77,1142.26 983.18,1142.39 cw(c983.19,1102.37) 1023.21,1102.36 1023.62,78.74 cw(c984.27,78.72) 984.25,39.37 -39.37,39.37 -984.25,39.37 cw(c-984.26,78.73) -1023.62,78.74 -1024.68,1102.36 cw(c-984.78,1102.36)
CHASSIS on Top Solder "NONET_L-01_P-001" (solid, pour order 61): -984.78,1142.26 -826.77,1142.26 -826.77,1181.1 -1062.99,1181.1 -1062.99,0 1062.99,0 1062.99,1181.1 -826.77,1181.1 -826.77,1142.26 983.18,1142.39 cw(c983.19,1102.37) 1023.21,1102.36 1023.62,78.74 cw(c984.27,78.72) 984.25,39.37 -39.37,39.37 -984.25,39.37 cw(c-984.26,78.73) -1023.62,78.74 -1024.68,1102.36 cw(c-984.78,1102.36)
GND on Inner Layer 4 "NONET_L-01_P-001" (solid, pour order 56): -1181.1,1299.21 1220.47,1299.21 1220.47,-157.48 -1181.1,-157.48